# KiCad board ips20.kicad_pcb (continued)
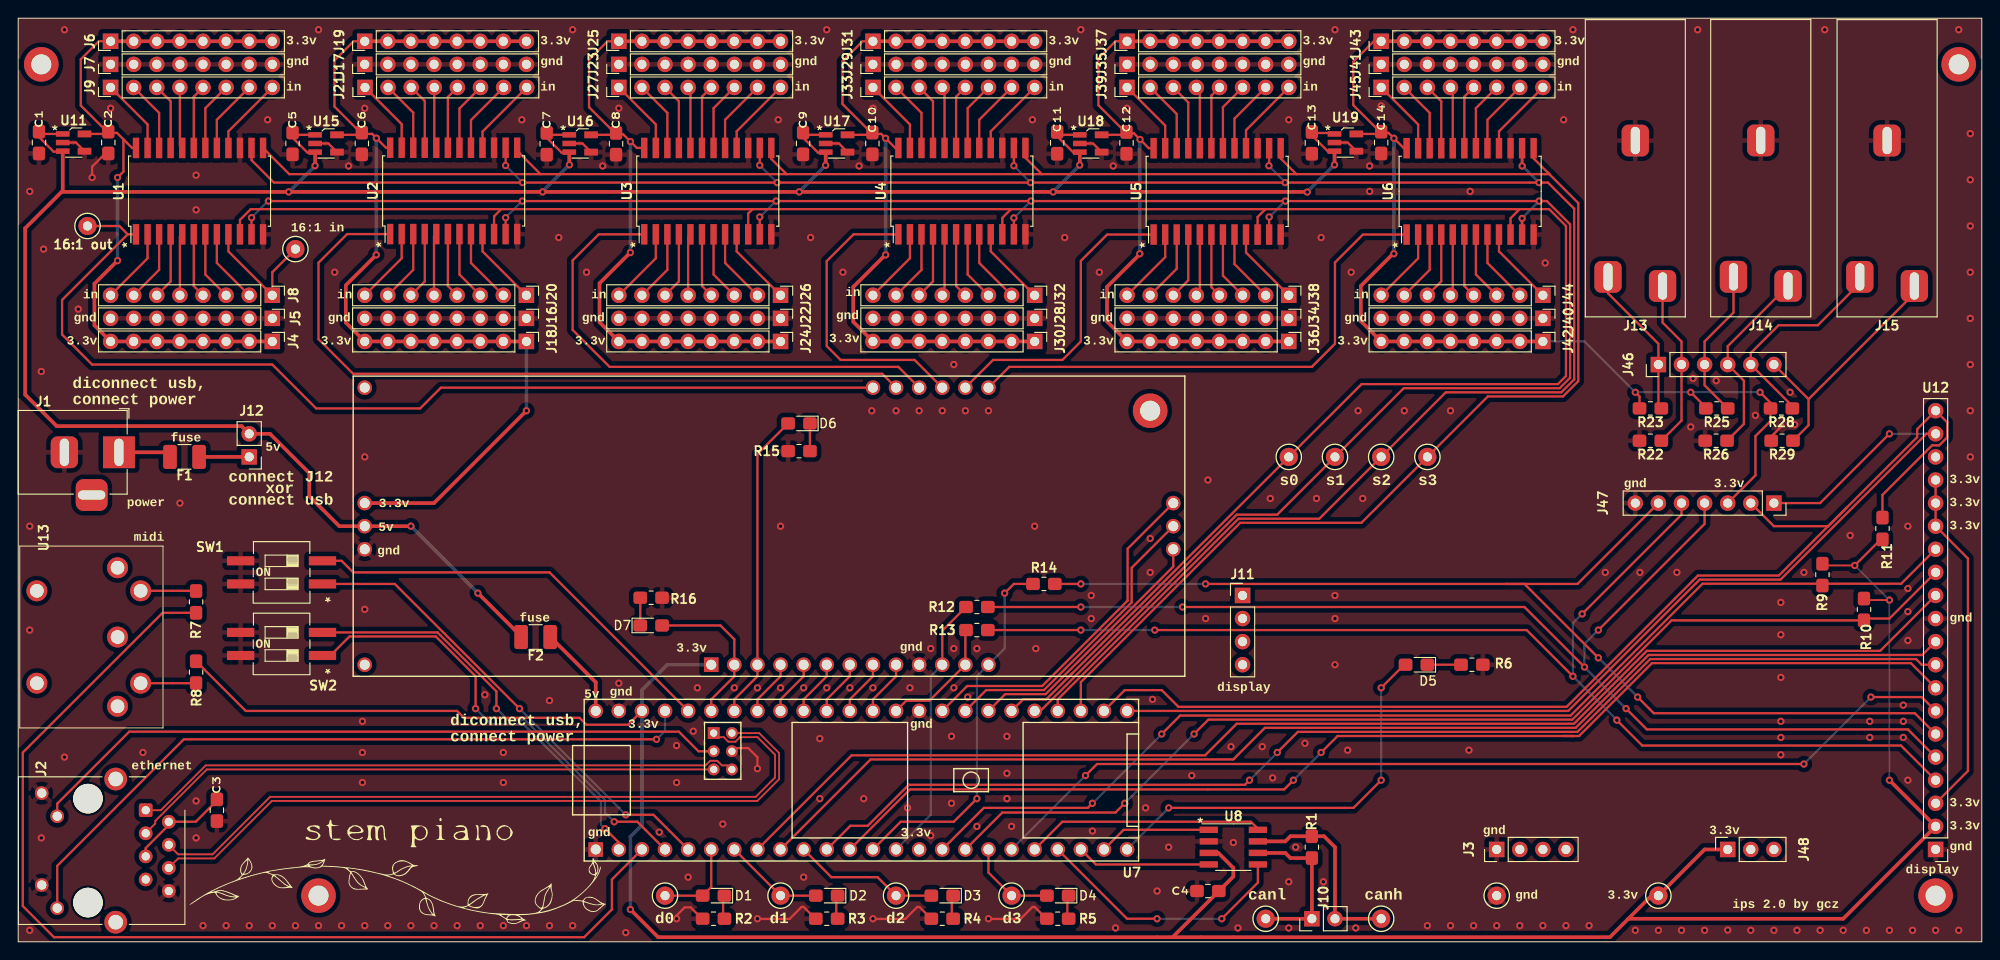
[diagram p0: board, top side]
## Routing (per net, layer and track width the routed paths; a pad name or vN(x,y) marks a point on that pad's centre or on a via; arc(x,y) is an arc through that point) (continued)
Net-(U12-SCL): length 122.9
  Top w0.25: U7.16 106.17,14.73 117.6,14.73 v1(118.11,15.24) ; v1(125.73,22.86) 127.76,24.89 170.69,24.89 185.19,39.39 207.03,39.39 U12.14
  Bottom w0.25: v1(125.73,22.86) v1(118.11,15.24)
Net-(U12-SDA): length 119.2
  Top w0.25: U12.13 205.74,35.56 202.95,35.56 ; R10.2 181.79,35.36 170.87,24.44 130.87,24.44 v1(129.29,22.86) ; U7.17 108.2,14.22 120.65,14.22 v1(121.67,15.24)
  Bottom w0.25: v1(129.29,22.86) v1(121.67,15.24)
Net-(U13-DATA): length 6.1
  Top w0.25: U13.5 19.54,38.61 R7.2
Net-(U13-VREF): length 6.1
  Top w0.25: U13.4 19.55,28.45 R8.2

## Copper pours and planes (outline as drawn; the poured copper is in the pictures)
GND on Top, Bottom: -7.62,109.22 223.52,109.22 223.52,-7.62 -7.62,-7.62

## Text on the board
F.Silkscreen: ips 2.0 by gcz | 3.3v | gnd | in | power | ethernet | midi | fuse | 5v | 16:1 in | display | diconnect usb, | connect power | connect J12 | connect usb | xor | d0 | d1 | d2 | d3 | canl | s0 | s1 | canh | s2 | s3
